# KiCad board design.kicad_pcb (continued)
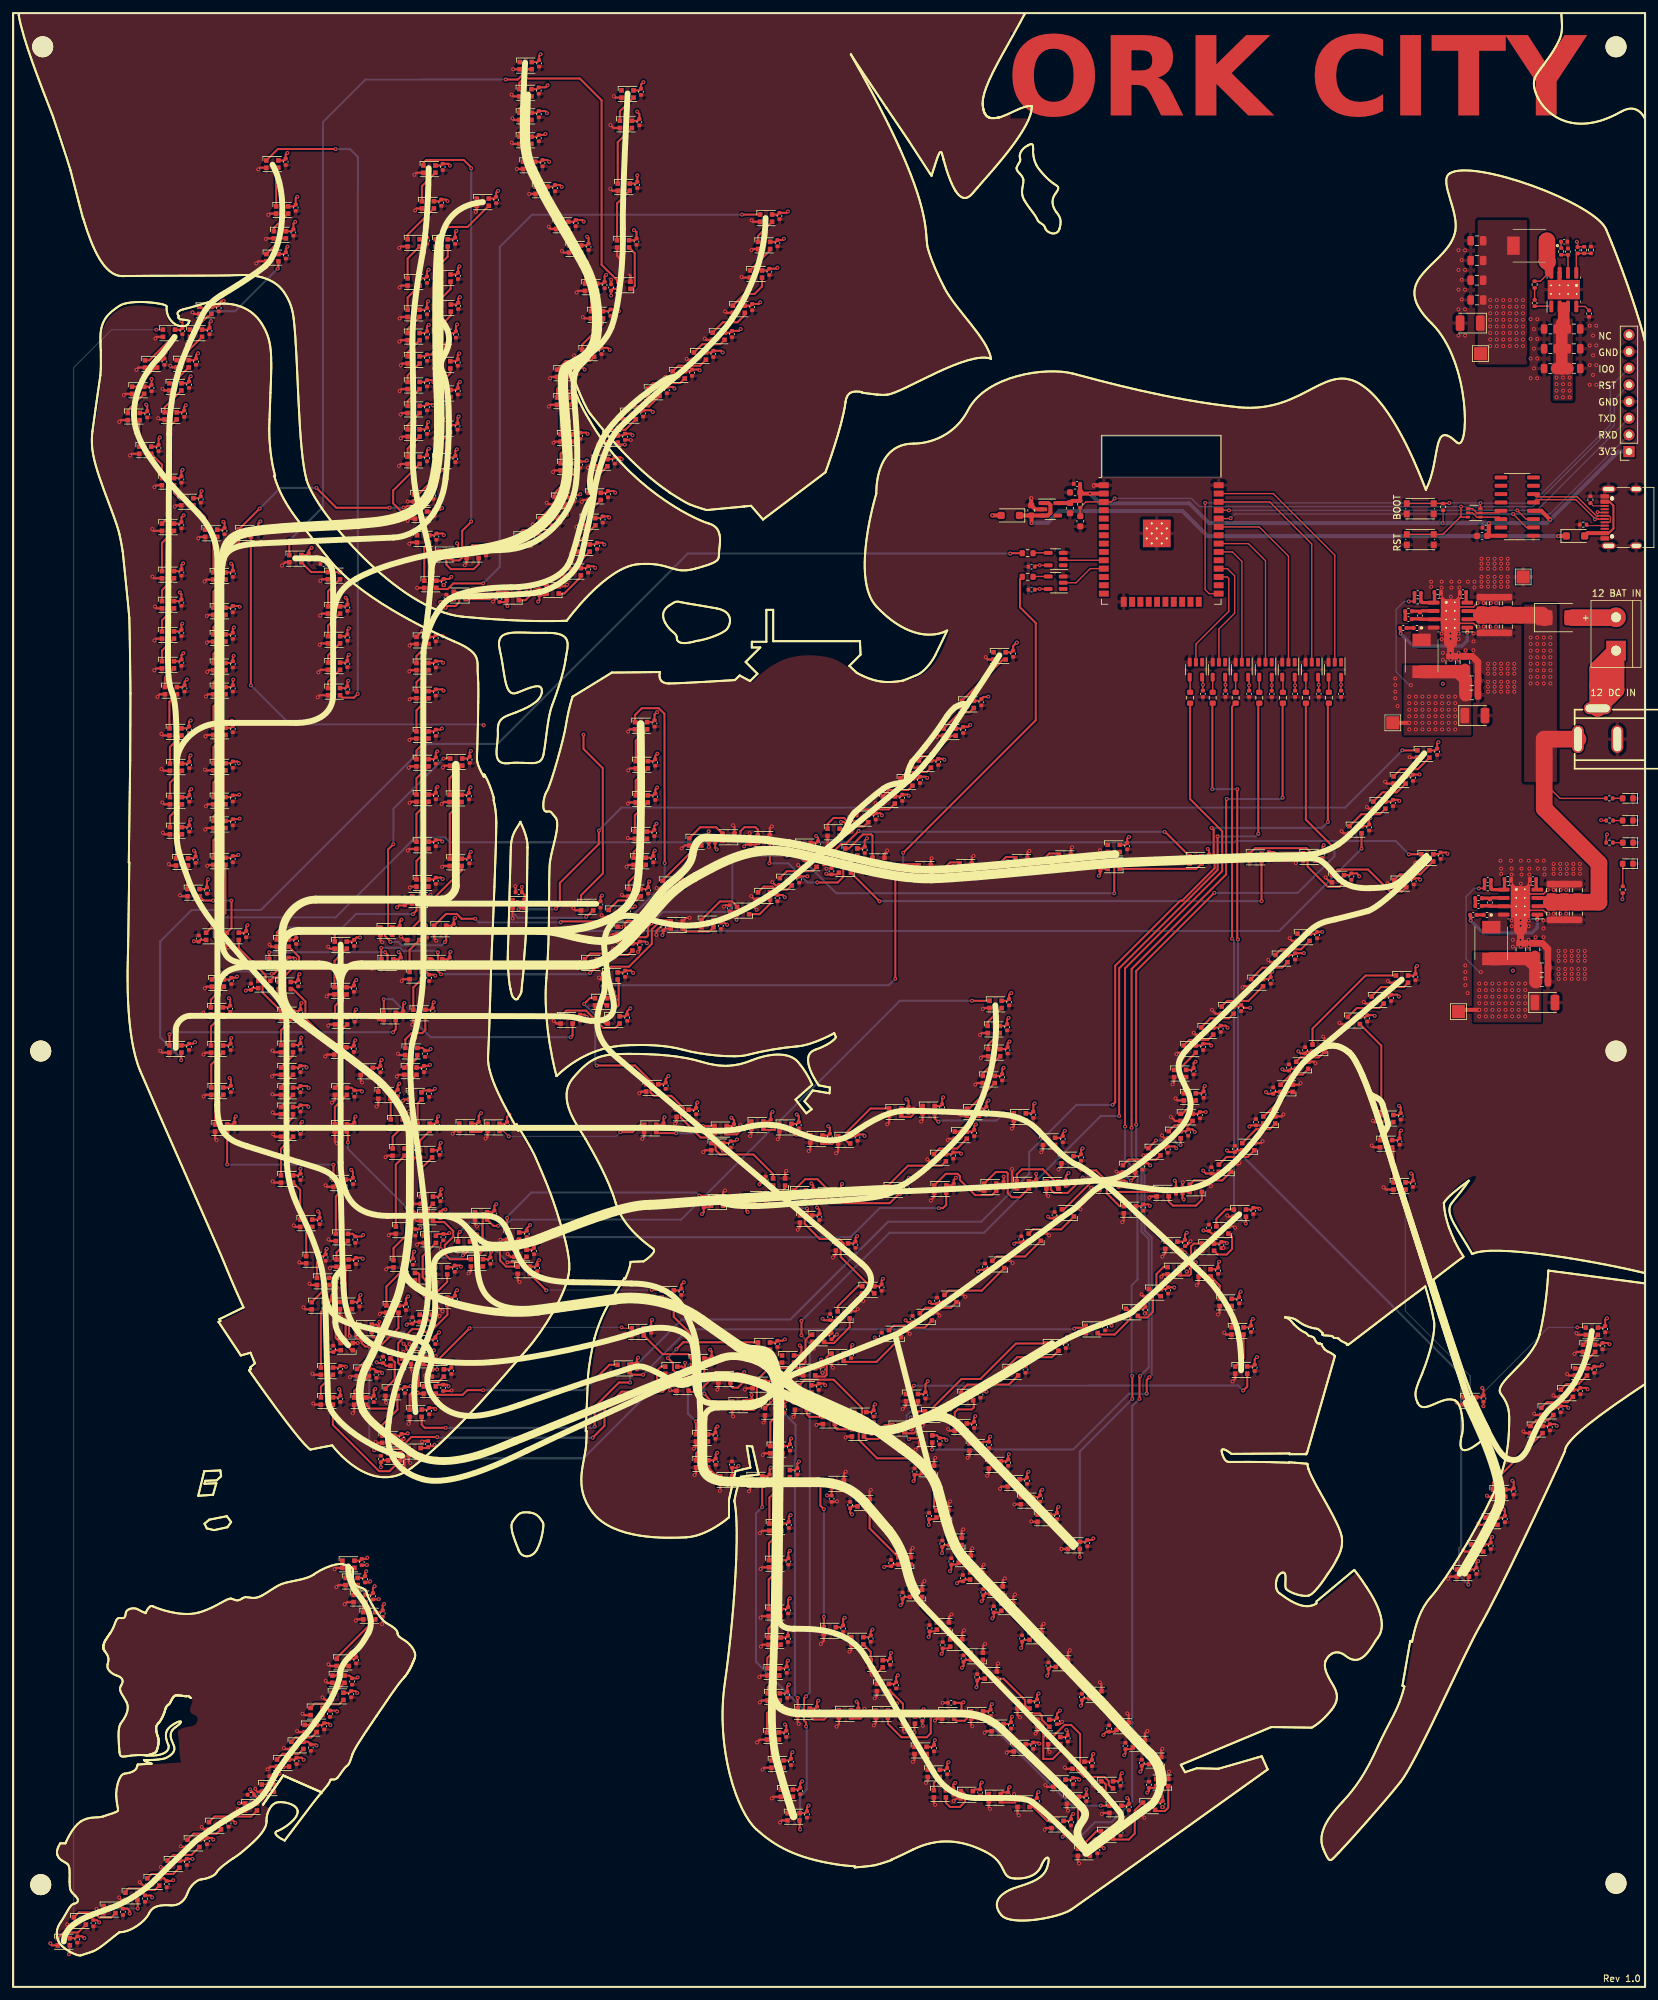
[diagram p0: board, top side]
## Routing (per net, layer and track width the routed paths; a pad name or vN(x,y) marks a point on that pad's centre or on a via; arc(x,y) is an arc through that point) (continued)
Net-(D294-DOUT): length 6.7
  Top w0.305: D294.1 162.22,27.73
Net-(D295-DOUT): length 1.6
  Top w0.305: D296.3 160.54,30.24 D295.1
Net-(D296-DOUT): length 5.9
  Top w0.305: 158.48,31.67 D297.3
Net-(D297-DOUT): length 2.6
  Top w0.305: D297.1 152.44,37.4 D298.3
Net-(D298-DOUT): length 1.6
  Top w0.305: D299.3 148.6,40.05 D298.1
Net-(D299-DOUT): length 3.8
  Top w0.305: D299.1 145.57,41.98 145.29,41.7 145.29,40.88 144.96,40.55 143.66,40.55 D300.3
Net-(D300-DOUT): length 13
  Top w0.305: D301.3 133.28,40.09 135.33,38.03 139.2,38.03 139.8,38.63 139.8,40.91 140.86,41.97 D300.1
Net-(D301-DOUT): length 4.1
  Top w0.305: 127.82,40.88 129.12,40.88 130.35,42.1 D301.1
Net-(D302-DOUT): length 5.3
  Top w0.305: D303.3 121.94,40.73 123.55,40.73 124.97,42.15 D302.1
Net-(D303-DOUT): length 56.4
  Top w0.305: v1(115.5,95.25) 115.5,96.88 ; D303.1 v1(119.53,44.03)
  Bottom w0.305: 115.48,95.17 115.4,95.25 v1(115.5,95.25) 115.5,95.15 116.88,93.77 116.88,87.97 119.21,85.64 119.21,80.38 119.12,80.28 119.12,44.44 v1(119.53,44.03)
Net-(D304-DOUT): length 17.7
  Top w0.305: v1(101.06,97.14) 101.06,97.17 102.1,98.21 112.79,98.21 112.83,98.17 D304.1 ; v1(99.76,95.79) 100.53,95.02 100.53,94 101.12,93.4
  Bottom w0.305: v1(99.76,95.79) 99.76,95.84 v1(101.06,97.14)
Net-(D305-DOUT): length 44.5
  Top w0.305: v1(98.1,91.76) 98.1,93.9 98.7,94.5 D305.1 ; D306.3 62.58,80.51 v1(64.54,80.51)
  Bottom w0.305: v1(64.54,80.51) 86.87,80.53 v1(98.1,91.76)
Net-(D306-DOUT): length 13.1
  Top w0.305: 57.41,82.06 57.29,82.18 v1(57.29,82.13) 57.34,82.13 57.5,81.97 60.13,81.97 ; D307.3 54.38,88.1 v1(57.47,88.1)
  Bottom w0.305: v1(57.47,88.1) 57.45,82.29 v1(57.29,82.13)
Net-(D307-DOUT): length 4.2
  Top w0.305: D308.3 51.96,90.81 D307.1
Net-(D308-DOUT): length 11.1
  Top w0.305: 52.47,94.15 58.7,100.38 D309.3
Net-(D309-DOUT): length 7
  Top w0.305: D310.3 56.87,106.71 D309.1
Net-(D310-DOUT): length 4.9
  Top w0.305: D311.3 57.94,112.55 D310.1
Net-(D311-DOUT): length 11.4
  Top w0.305: D311.1 58.3,125.28 D312.3
Net-(D312-DOUT): length 4
  Top w0.305: D313.3 57.82,129.53 D312.1
Net-(D313-DOUT): length 3.1
  Top w0.305: D313.1 57.52,135.25
Net-(D314-DOUT): length 2.9
  Top w0.305: D314.1 55.63,138.08 D315.3
Net-(D315-DOUT): length 2.8
  Top w0.305: 52.77,140.03 D316.3
Net-(D316-DOUT): length 11.8
  Top w0.305: D317.3 42.66,152.01 44.53,150.13 44.53,147.54 D316.1
Net-(D317-DOUT): length 7.3
  Top w0.305: D317.1 43.57,156.21 43.57,156.9 D318.3
Net-(D318-DOUT): length 26.3
  Top w0.305: D318.1 40.17,160.65 40.92,161.4 v1(40.94,161.4) ; v1(60.91,163.43) 61.45,163.97 61.45,165.68 61,166.13 D319.3
  Bottom w0.305: v1(60.91,163.43) 52.25,163.47 50.18,161.4 v1(40.94,161.4)
Net-(D319-DOUT): length 8.5
  Top w0.305: D320.3 68.34,170.1 63.28,165.03 D319.1
Net-(D320-DOUT): length 9.4
  Top w0.305: D321.3 66.52,178.71 D320.1
Net-(D321-DOUT): length 5.2
  Top w0.305: D321.1 66.48,184.12 D322.3
Net-(D322-DOUT): length 31.9
  Top w0.305: D322.1 65.65,187.15 v1(65.57,187.13) 65.61,187.15 65.63,187.15 ; v1(57.93,174.08) 57.12,173.27 57.12,160.64 57.47,160.29 D343.3
  Bottom w0.305: v1(57.93,174.08) 57.95,179.51 v1(65.57,187.13)
Net-(D323-DIN): length 8.1
  Top w0.305: D324.1 161.81,171.38 162.67,172.25 167.94,172.25 D323.3
Net-(D324-DIN): length 5.4
  Top w0.305: 159.13,172.67 157.85,172.67 155.98,170.8 D325.1
Net-(D325-DIN): length 7.6
  Top w0.305: D325.3 152.44,172.15 151.28,172.15 149.17,170.04 D326.1
Net-(D326-DIN): length 4.9
  Top w0.305: D327.1 141.19,169.76 142.74,171.31 144.05,171.31
Net-(D327-DIN): length 4.9
  Top w0.305: 132.86,171.03 137.81,171.03
Net-(D328-DIN): length 8.5
  Top w0.305: D329.1 127.34,173.44 129.48,175.58 130.74,175.58 130.92,175.4 D328.3
Net-(D329-DIN): length 20.6
  Top w0.305: v1(122.51,168.26) 125.63,168.26 126.47,169.1 126.47,170.98 126.99,171.5 127.77,171.5 D329.3 ; v1(115.21,171.18) 115.28,171.26 D330.1
  Bottom w0.305: 115.25,171.17 115.24,171.17 v1(115.21,171.18) 115.26,171.17 118.11,171.17 121.02,168.26 v1(122.51,168.26)
Net-(D330-DIN): length 6.2
  Top w0.305: D330.3 113.45,176.32 113.1,176.67 111.4,176.67 110.8,176.07 110.8,174.87 110.52,174.59 D331.1
Net-(D331-DIN): length 6.2
  Top w0.305: D331.3 107.1,176.66 104.67,176.66 D332.1
Net-(D332-DIN): length 8.1
  Top w0.305: D332.3 104.28,173.9 98.94,168.56
Net-(D333-DIN): length 11.2
  Top w0.305: D333.3 99.88,166.5 v1(98.47,166.5) ; D334.1 v1(92.64,161.48)
  Bottom w0.305: v1(92.64,161.48) 97.67,166.51 98.4,166.51 v1(98.47,166.5) 98.42,166.51 98.41,166.51
Net-(D334-DIN): length 44.7
  Top w0.305: D334.3 93.7,160.41 93.26,160.86 93.26,162.16 93.48,162.39 95.38,162.39 95.41,162.36 v1(96.14,162.36) ; D335.1 94.76,193.79 95.77,194.8 98.37,194.8 99.23,193.95 v1(99.26,171.21)
  Bottom w0.305: v1(96.14,162.36) 96.72,162.36 99.26,164.9 v1(99.26,171.21)
Net-(D335-DIN): length 5.6
  Top w0.305: D336.1 94.86,189.87 D335.3
Net-(D336-DIN): length 4.9
  Top w0.305: D336.3 94.85,183.8 D337.1
Net-(D337-DIN): length 5.2
  Top w0.305: D338.1 94.72,178.48 D337.3
Net-(D338-DIN): length 3.7
  Top w0.305: D339.1 94.55,172.9 D338.3
Net-(D339-DIN): length 4.7
  Top w0.305: D340.1 93.78,168.34 D339.3
Net-(D340-DIN): length 5.8
  Top w0.305: D340.3 94.96,165.51 92.15,165.51 D341.1
Net-(D341-DIN): length 30
  Top w0.305: v1(83.4,162.17) 83.55,162.33 91.9,162.33 D341.3 ; D342.1 65.93,163.46 67.59,163.46 68.33,162.73 v1(70.4,162.73)
  Bottom w0.305: v1(83.4,162.17) 70.96,162.17 v1(70.4,162.73)
Net-(D342-DIN): length 13.3
  Top w0.305: D342.3 65.97,159.36 v1(65.79,159.18) ; D343.1 56.15,161.39 56.66,160.88 56.66,160.09 57.48,159.27 v1(57.48,159.19) 57.56,159.19 57.49,159.26
  Bottom w0.305: v1(57.48,159.19) 58.7,159.19 59.21,158.68 65.29,158.68 v1(65.79,159.18)
Net-(D344-DIN): length 198
  Top w0.305: v1(171.6,89.57) 171.6,92.97 v1(171.7,93.07) ; v1(193.4,181.17) 193.4,195.52 R26.2 ; v1(184.9,180.97) 184.8,180.87 184.8,169.47 170.4,155.07 v1(170.4,130.87) ; v1(159.9,22.87) 160.03,23 D344.3
  Bottom w0.305: v1(159.9,22.87) 162.6,22.87 164.8,25.07 167.3,25.07 170.5,28.27 170.5,88.47 v1(171.6,89.57) ; v1(170.4,130.87) 170.4,126.37 171.9,124.87 171.9,115.07 173,113.97 173,94.37 v1(171.7,93.07) ; v1(184.9,180.97) 193.2,180.97 v1(193.4,181.17)
Net-(D344-DOUT): length 4.2
  Top w0.305: D344.1 157.55,25.29 155.43,27.41 D345.3
Net-(D345-DOUT): length 2.6
  Top w0.305: D345.1 152.61,28.1 150.64,28.1
Net-(D346-DOUT): length 2.5
  Top w0.305: 148.51,29.37 147.69,28.55 146.38,28.55
Net-(D347-DOUT): length 6.3
  Top w0.305: D347.1 144.59,29.82 145.03,29.37 145.03,28.2 144.24,27.41 142.74,27.41 142.1,28.05 D348.3
Net-(D348-DOUT): length 2.4
  Top w0.305: D349.3 140.28,31.07 D348.1
Net-(D349-DOUT): length 2.2
  Top w0.305: D349.1 139.34,35.28
Net-(D350-DOUT): length 3.7
  Top w0.305: 137.32,37.29 137.23,37.38 v1(137.34,37.38) 137.34,37.27 137.32,37.29 D350.1 ; v1(137.33,38.76) 137.33,40.05
  Bottom w0.305: v1(137.34,37.38) v1(137.33,38.76)
Net-(D351-DOUT): length 4.9
  Top w0.305: D351.1 135.56,43.13 133.64,45.06 D352.3
Net-(D352-DOUT): length 2.9
  Top w0.305: D353.3 131.59,47.78 D352.1
Net-(D353-DOUT): length 2.9
  Top w0.305: D353.1 130.65,51.06 D354.3
Net-(D354-DOUT): length 2.5
  Top w0.305: D354.1 125.75,53.28 D355.3
Net-(D355-DOUT): length 24.2
  Top w0.305: D355.1 123.5,56.36 v1(123.52,56.38) ; 124.56,77.36 123.26,77.36 123,77.1 123,73.3 v1(123.52,72.78)
  Bottom w0.305: v1(123.52,56.38) v1(123.52,72.78)
Net-(D356-DOUT): length 2.8
  Top w0.305: D357.3 126.87,76.09 D356.1
Net-(D357-DOUT): length 9.6
  Top w0.305: D357.1 130.49,69.87 D358.3
Net-(D358-DOUT): length 3.8
  Top w0.305: D358.1 136.72,60.59
Net-(D359-DOUT): length 4.8
  Top w0.305: D359.1 138.47,57.81 D360.3
Net-(D360-DOUT): length 1.3
  Top w0.305: D361.3 142.76,54.25
Net-(D361-DOUT): length 1.7
  Top w0.305: D361.1 145,51.84 D362.3
Net-(D362-DOUT): length 1.9
  Top w0.305: D362.1 147.75,48.32 D363.3
Net-(D363-DOUT): length 7.3
  Top w0.305: D363.1 150.89,46.95 154.19,43.65 154.19,42.87 154.64,42.42 D364.3
Net-(D364-DOUT): length 7.2
  Top w0.305: D364.1 153.22,43.52 153.73,43.01 153.73,42.38 154.46,41.65 156.42,41.65 156.7,41.36 156.7,40.74 157.83,39.61
Net-(D365-DOUT): length 10.5
  Top w0.305: 156.08,40.71 156.95,39.84 156.95,34.73 158.38,34.73 159.53,35.88 D366.3
Net-(D366-DOUT): length 12
  Top w0.305: D367.3 162.83,33.22 162.56,33.49 162.56,38.54 161.19,39.91 160.19,39.91 158.35,38.07 D366.1
Net-(D367-DOUT): length 8.6
  Top w0.305: D367.1 161.59,34.32 162.1,33.81 162.1,33.02 163.13,31.99 166.26,31.99 166.92,31.33 166.92,30.79 167.47,30.24
Net-(D368-DOUT): length 6.2
  Top w0.305: D368.1 165.99,31.34 166.46,30.87 166.46,29.32 168.2,27.58 168.2,26.99 168.69,26.5
Net-(D369-DOUT): length 90.7
  Top w0.305: 165.86,27.62 v1(165.7,27.62) 165.88,27.6 D369.1 ; v1(114.12,73.1) D370.3
  Bottom w0.305: v1(165.7,27.62) 161.22,27.62 147.12,41.72 120.99,41.72 113.18,49.53 113.18,72.14 114.12,73.08 ; 114.12,73.08 114.14,73.1 v1(114.12,73.1) 114.12,73.08
Net-(D370-DOUT): length 6.3
  Top w0.305: D371.3 108.81,76.68 v1(108.8,76.67) ; v1(113.1,77.07) 112.38,77.8 D370.1
  Bottom w0.305: v1(108.8,76.67) 112.7,76.67 v1(113.1,77.07)
Net-(D371-DOUT): length 2.4
  Top w0.305: D371.1 107.23,77.78 D372.3
Net-(D372-DOUT): length 3.6
  Top w0.305: D372.1 104.05,81.29 D373.3
Net-(D373-DOUT): length 22.9
  Top w0.305: v1(104.02,86.13) 104.02,86.12 D373.1 ; D374.3 100.64,102.06 v1(103.67,99.04)
  Bottom w0.305: v1(104.02,86.13) 102.8,87.35 102.8,94.62 103.65,95.47 v1(103.67,99.04)
Net-(D374-DOUT): length 21.2
  Top w0.152: D374.1 97.37,106.11 v1(97.3,106.17)
  Top w0.305: v1(81.23,106.11) D375.3
  Bottom w0.152: v1(81.23,106.11) 81.29,106.17 v1(97.3,106.17)
Net-(D375-DOUT): length 8.2
  Top w0.305: D376.3 76.77,113.84 75.72,112.79 74.8,112.79 74.17,112.16 74.17,110.66 75.1,109.73 D375.1
Net-(D376-DOUT): length 35.5
  Top w0.305: D376.1 75.27,117.09 75.26,117.09 v1(75.26,117.14) 75.21,117.14 75.24,117.11 ; D377.3 105.92,120.54 v1(104.53,120.54)
  Bottom w0.305: v1(75.26,117.14) 75.26,117.33 78.95,121.02 104.05,121.02 v1(104.53,120.54)
Net-(D377-DOUT): length 5.5
  Top w0.305: D377.1 109.64,119.03 111.4,120.79 112.6,120.79 D378.3
Net-(D378-DOUT): length 6.4
  Top w0.305: D378.1 120.01,119.46 D379.3
Net-(D379-DOUT): length 8.5
  Top w0.305: D380.3 124.78,120.05 124.33,120.5 124.33,121.28 122.56,123.05 120.67,123.05 D379.1
Net-(D380-DOUT): length 13.6
  Top w0.305: D380.1 123.36,121.15 123.87,120.64 123.87,119.99 124.46,119.4 133.55,119.4 D381.3
Net-(D381-DOUT): length 10.5
  Top w0.305: D381.1 136.34,125.12 141.45,125.12 D382.3
Net-(D382-DOUT): length 6
  Top w0.305: D382.1 141.13,127.72 143.82,127.72 D383.3
Net-(D383-DOUT): length 4.7
  Top w0.305: D384.3 146.53,132.71 144.12,130.3 D383.1
Net-(D384-DOUT): length 5.8
  Top w0.305: D385.3 145.66,133.81 D384.1
Net-(D385-DOUT): length 4.1
  Top w0.305: D385.1 147.72,139.12 D386.3
Net-(D386-DOUT): length 3.2
  Top w0.305: D386.1 148.54,143.55 D387.3
Net-(D387-DOUT): length 3.6
  Top w0.305: D387.1 148.47,147.01 D388.3
Net-(D388-DOUT): length 91.2
  Top w0.305: v1(146.08,150.23) D388.1 ; v1(73.89,115.94) 73.16,115.94 D389.3
  Bottom w0.305: v1(146.08,150.23) 135.08,150.23 101.73,116.89 75.86,116.89 74.88,115.9 v1(73.89,115.94)
Net-(D389-DOUT): length 9.7
  Top w0.305: D389.1 70.57,118.01 71.54,117.04 71.54,112.13 70.92,111.51 70.92,109.89 71.05,109.76 D390.3
Net-(D390-DOUT): length 11.8
  Top w0.305: D390.1 66.56,110.86 65.77,111.65 65.77,113.02 67.05,114.31 67.05,115.15 65.68,116.52 64.13,116.52
Net-(D391-DOUT): length 17.7
  Top w0.305: v1(50.99,128.66) 50.99,130.16 ; v1(59.94,118.72) 60.51,118.75 61.47,117.79 D391.1
  Bottom w0.305: v1(59.94,118.72) 50.99,127.67 v1(50.99,128.66)
Net-(D392-DOUT): length 5.2
  Top w0.305: D393.3 49.01,134.06 D392.1
Net-(D393-DOUT): length 10.4
  Top w0.305: D394.3 50.11,145.86 50.11,138.09 D393.1
Net-(D394-DOUT): length 4.2
  Top w0.305: D394.1 49.05,149.46 D395.3
Net-(D395-DOUT): length 6.6
  Top w0.305: D396.3 48.96,156.3 D395.1
Net-(D396-DOUT): length 165.9
  Top w0.305: D396.1 v1(48.98,160.45) ; D413.3 205.43,173.43 v1(205.44,173.42)
  Bottom w0.305: v1(48.98,160.45) 49.41,160.88 93,160.88 93.6,161.47 95.1,161.47 95.7,160.88 192.91,160.88 205.44,173.41 v1(205.44,173.42)
Net-(D397-DIN): length 10.2
  Top w0.305: D398.1 66.27,268.12 69.23,268.12 D397.3
Net-(D398-DIN): length 4.8
  Top w0.305: D399.1 64.81,262.21 66.21,263.61 D398.3
Net-(D399-DIN): length 4.2
  Top w0.305: D399.3 66.64,258.68 64.84,256.88 D400.1
Net-(D400-DIN): length 4.2
  Top w0.305: D401.1 64.47,252.42 66.67,254.62 D400.3
Net-(D401-DIN): length 3.8
  Top w0.305: D401.3 65.81,250.36 65.81,248.71 D402.1
Net-(D402-DIN): length 4
  Top w0.305: D402.3 66.6,245.83 64.78,244 D403.1
Net-(D403-DIN): length 5
  Top w0.305: D404.1 65.98,239.19 65.98,241.56 D403.3
Net-(D404-DIN): length 4.7
  Top w0.305: D405.1 64.41,234.69 D404.3
Net-(D405-DIN): length 7
  Top w0.305: D406.1 61.74,227.39 D405.3
Net-(D406-DIN): length 32.9
  Top w0.305: D406.3 62.25,225.64 60.03,225.64 59.77,225.38 v1(59.49,225.38) ; v1(57.35,225.35) 49.23,225.35 v1(46.2,228.37) ; D407.1 v1(37.56,225.22)
  Bottom w0.305: 59.32,225.35 59.35,225.35 v1(59.49,225.38) 59.29,225.35 v1(57.35,225.35) ; v1(37.56,225.22) 40.72,228.37 v1(46.2,228.37)
Net-(D407-DIN): length 104.7
  Top w0.305: v1(86.9,190.77) 86.9,188.6 89.83,185.67 89.83,174.08 89.86,174.05 89.86,169.64 86.53,166.31 D408.1 ; D407.3 36.22,198.31 v1(36.22,198.3)
  In1.Cu w0.305: v1(86.9,190.77) 85.48,192.2 v1(71.69,192.2)
  Bottom w0.305: v1(71.69,192.2) 71.56,192.33 42.18,192.33 36.22,198.29 v1(36.22,198.3)
Net-(D408-DIN): length 15.7
  Top w0.305: v1(76.8,165.27) 76.34,165.27 D409.1 ; D408.3 87.38,163.03 v1(87.3,163.03)
  Bottom w0.305: v1(87.3,163.03) 87.15,162.87 76.9,162.87 76.2,163.57 76.2,164.67 v1(76.8,165.27)
Net-(D409-DIN): length 151.3
  Top w0.305: D409.3 77.25,164.42 v1(77,164.17) ; v1(211.67,188.39) 211.68,188.38 D410.1 ; v1(82.7,164.27) 83.29,164.86 83.29,168.18 89.23,174.12 v1(89.23,176.16)
  Bottom w0.305: v1(211.67,188.39) 202.95,179.67 92.7,179.67 89.23,176.2 v1(89.23,176.16) 89.19,176.16 89.26,176.23 ; v1(77,164.17) 82.6,164.17 v1(82.7,164.27)
Net-(D410-DIN): length 6.7
  Top w0.305: D410.3 214.01,185.52 211.4,185.52 D411.1
Net-(D411-DIN): length 6
  Top w0.305: D411.3 210.8,181.99 208.63,181.99 D412.1
Net-(D412-DIN): length 6.5
  Top w0.305: D413.1 205.4,178.65 208.23,178.65 D412.3
Net-(D414-DIN): length 176.4
  Top w0.305: R27.2 151.95,218.42 v1(151.9,218.37) ; v1(25.6,141.17) 25.6,142.31 D414.3
  Bottom w0.305: v1(25.6,141.17) 25.6,141.47 22.4,144.67 22.4,159.27 27.2,164.07 37.75,164.07 63.05,189.37 73.8,189.37 102.8,218.37 v1(151.9,218.37)
Net-(D414-DOUT): length 37.9
  Top w0.305: D415.3 58.29,145.87 57.87,145.45 v1(57.87,145.43) ; v1(23.82,145.12) 23.82,143.46
  Bottom w0.305: 23.81,145.13 23.8,145.12 v1(23.82,145.12) 23.82,145.14 24.11,145.43 v1(57.87,145.43)
Net-(D415-DOUT): length 35.2
  Top w0.305: v1(84.96,144.68) 85.23,144.96 D416.3 ; v1(56.47,150.49) 56.47,148.41
  Bottom w0.305: v1(84.96,144.68) 63.61,144.68 57.82,150.47 v1(56.47,150.49)
Net-(D416-DOUT): length 10.7
  Top w0.305: D416.1 84.27,148.73 87.29,148.73 89.92,146.11 91.75,146.11 D417.3
Net-(D417-DOUT): length 6.1
  Top w0.305: 92.25,153.31 92.25,149.54 D417.1
Net-(D418-DOUT): length 14.3
  Top w0.305: 100.02,162.49 98.7,162.49 97.31,161.1 97.31,158.91 93.83,155.43 91.15,155.43 D418.1
Net-(D419-DOUT): length 5.1
  Top w0.305: D420.3 106.05,160.79 102.45,160.79 D419.1
Net-(D420-DOUT): length 6.9
  Top w0.305: D420.1 107.7,165.37 109.52,165.37 110.29,164.6
Net-(D421-DOUT): length 4.5
  Top w0.305: D421.1 113.72,163.42 115.31,165.01 D422.3
Net-(D422-DOUT): length 6
  Top w0.305: D422.1 114.35,167.63 115.7,167.63 116.17,167.17 117.98,167.17 D423.3
Net-(D423-DOUT): length 6.3
  Top w0.305: D424.3 121.75,169.98 117.86,169.98 D423.1
Net-(D424-DOUT): length 7.2
  Top w0.305: D425.3 125.91,174.7 123.84,172.63 122.13,172.63 121.23,171.73 D424.1
Net-(D425-DOUT): length 8.2
  Top w0.305: D425.1 124.08,177.17 125,178.09 126.61,178.09 127.65,177.04 127.65,176.88 127.74,176.79 129.62,176.79 D426.3
Net-(D426-DOUT): length 6.6
  Top w0.305: D427.3 133.44,179.39 129.3,179.39 D426.1
Net-(D427-DOUT): length 5.2
  Top w0.305: D428.3 136.35,182.35 133.47,182.35 D427.1
Net-(D428-DOUT): length 5.3
  Top w0.305: D428.1 136.16,185.09 139.17,185.09 D429.3
Net-(D429-DOUT): length 7.2
  Top w0.305: D430.3 142.95,190.61 139.84,187.49 138.65,187.49 D429.1
Net-(D430-DOUT): length 5.9
  Top w0.305: D431.3 145.71,194.18 144.24,194.18 D430.1
Net-(D431-DOUT): length 9.3
  Top w0.305: D432.3 150.82,202.22 D431.1
Net-(D433-DIN): length 119.7
  Top w0.305: R28.2 153.4,214.49 153.4,210.17 155.8,207.77 155.8,192.97 v1(135.6,172.77) ; D433.3 90.28,149.53 89.8,150 v1(89.8,152.47) ; v1(134.4,153.57) v1(134.4,169.37)
  Bottom w0.305: v1(134.4,153.57) 133.42,152.59 89.92,152.59 v1(89.8,152.47) ; v1(134.4,169.37) 135.6,170.57 v1(135.6,172.77)
Net-(D433-DOUT): length 23.4
  Top w0.305: v1(86.99,149.75) 87.87,150.63 D433.1 ; 98.22,136.41 97.57,137.06 97.57,137.55 94.75,140.37 v1(88.9,140.37)
  Bottom w0.305: v1(86.99,149.75) 87,149.75 88.68,148.07 88.68,140.6 v1(88.9,140.37)
Net-(D434-DOUT): length 9.4
  Top w0.305: D434.1 96.66,137.51 97.11,137.06 97.11,136.28 97.63,135.76 100.27,135.76 102.19,133.84 102.19,133.05 102.7,132.54 D435.3
Net-(D435-DOUT): length 10.5
  Top w0.305: D436.3 107.99,127.46 107.48,127.97 107.48,128.59 106.66,129.41 104.74,129.41 101.73,132.41 101.73,133.19 101.29,133.64 D435.1
Net-(D436-DOUT): length 12.4
  Top w0.305: D437.3 115.78,123.82 112.8,126.81 107.69,126.81 107.02,127.48 107.02,128.11 106.57,128.56 D436.1
Net-(D437-DOUT): length 9.1
  Top w0.305: 121.54,116.43 121.06,116.91 121.06,118.46 v1(120.94,118.58) ; 116.93,121.02 116.87,120.96 v1(116.87,121) 116.91,121 117.62,121.71 D437.1
  Bottom w0.305: v1(116.87,121) 119.25,118.62 120.81,118.62 v1(120.94,118.58) 120.89,118.62 120.85,118.62
Net-(D438-DOUT): length 10.4
  Top w0.305: D439.3 126.94,112.18 126.54,112.58 126.54,113.27 125.88,113.93 122.9,113.93 120.6,116.23 120.6,117.02 120.09,117.53 D438.1
Net-(D439-DOUT): length 10.1
  Top w0.305: 131.14,105.65 130.53,106.26 130.53,106.76 126.08,111.21 126.08,112.77 125.57,113.28 D439.1
Net-(D440-DOUT): length 5.7
  Top w0.305: D440.1 128.7,106.75 125.63,103.68 D441.3
Net-(D441-DOUT): length 6.1
  Top w0.305: 123.73,98.09 125.04,98.09 127.46,100.51 D441.1
Net-(D442-DOUT): length 6.4
  Top w0.305: 119.15,94.93 120.46,94.93 120.72,95.19 120.72,98.56 121.52,99.36 D442.1
Net-(D444-DIN): length 165.5
  Top w0.305: v1(171.1,131.37) 171.1,154.77 v1(183,166.67) ; D444.3 140.03,81.9 v1(140,81.87) ; v1(201.2,173.57) 196.95,177.82 R29.2 ; v1(172.7,90.37) 172.7,92.47 v1(173.1,92.87)
  Bottom w0.305: v1(140,81.87) 161.5,81.87 170,90.37 v1(172.7,90.37) ; v1(183,166.67) 195.7,166.67 201.3,172.27 201.3,173.47 v1(201.2,173.57) ; v1(171.1,131.37) 171.1,126.32 172.36,125.06 172.36,115.26 173.46,114.16 173.46,93.23 v1(173.1,92.87)
Net-(D444-DOUT): length 8.9
  Top w0.305: D444.1 137.75,83.57 136.62,83.57 v1(136.48,83.43) ; v1(137.17,88) 137.17,88.02 137.85,88.7 D445.3
  Bottom w0.305: v1(137.17,88) 137.11,88 136.14,87.02 136.14,83.74 136.45,83.43 v1(136.48,83.43) 136.48,83.4 136.35,83.53
Net-(D445-DOUT): length 55.1
  Top w0.305: D445.1 137.24,91.55 v1(137.24,91.59) ; D446.3 188.02,91.47 v1(187.4,90.85)
  Bottom w0.305: v1(187.4,90.85) 186.63,91.62 v1(137.24,91.59)
Net-(D446-DOUT): length 5.4
  Top w0.305: D446.1 187.46,95.79 D447.3
Net-(D447-DOUT): length 3.2
  Top w0.305: D448.3 185.65,100.5
Net-(D448-DOUT): length 4
  Top w0.305: D449.3 183.82,106.84 D448.1
Net-(D449-DOUT): length 4.9
  Top w0.305: D450.3 177.97,112.44 178.51,111.9 v1(178.52,111.9) ; v1(180.19,110.39) 180.19,109.75 D449.1
  Bottom w0.305: 180.16,110.42 v1(180.19,110.39) 180.16,110.42 178.68,111.9 v1(178.52,111.9)
Net-(D450-DOUT): length 6
  Top w0.305: 171.21,117.68 171.4,117.68 D450.1
Net-(D451-DOUT): length 11.4
  Top w0.305: D452.3 162.64,124.38 164.98,124.38 166.63,122.73 166.63,120.88 168.56,118.95 D451.1
Net-(D452-DOUT): length 2.1
  Top w0.305: D452.1 159.72,127.28 D453.3
Net-(D453-DOUT): length 3.7
  Top w0.305: D454.3 D453.1
Net-(D454-DOUT): length 13.6
  Top w0.305: v1(150.88,133.07) 152.44,133.07 ; v1(140.97,131.8) 140.92,131.8 140.39,132.33 D455.3
  Bottom w0.305: v1(140.97,131.8) 141.16,131.99 149.82,131.99 150.88,133.05 v1(150.88,133.07)
Net-(D455-DOUT): length 3.6
  Top w0.305: 135.47,132.56 136.78,132.56 138.42,134.2
Net-(D456-DOUT): length 10.1
  Top w0.305: D456.1 130.62,133.83 126.88,130.09 126.88,128.95 127.32,128.5 D457.3
Net-(D457-DOUT): length 3
  Top w0.305: D457.1 125.49,129.6 125.05,129.15 125.05,128.69 124.79,128.44 123.47,128.44
Net-(D458-DOUT): length 3.2
  Top w0.305: D459.3 119.24,129.71 D458.1
Net-(D459-DOUT): length 2.9
  Top w0.305: 114.47,130.57 116.04,130.57 116.04,130.99 116.53,131.48 D459.1
Net-(D460-DOUT): length 4.4
  Top w0.305: D460.1 112.22,131.84 110.27,129.89 108.86,129.89
Net-(D461-DOUT): length 9.4
  Top w0.305: 98.14,130.07 100.95,130.07 100.97,130.05 v1(101.01,130.05) 101.01,130.01 100.96,130.06 ; v1(105.1,131.16) D461.1
  Bottom w0.305: v1(101.01,130.05) 103.96,130.05 105.07,131.16 v1(105.1,131.16) 105.1,131.19 105.08,131.17
Net-(D462-DOUT): length 23.1
  Top w0.152: D463.3 74.69,130.39 v1(75.5,129.57)
  Top w0.305: v1(92.5,130.22) 94.36,130.22 95.49,131.34 D462.1
  Bottom w0.152: v1(92.5,130.22) 91.86,129.57 v1(75.5,129.57)
Net-(D463-DOUT): length 3.1
  Top w0.305: 69.98,130.25 71.28,130.25 71.54,130.51 71.54,130.97 72.07,131.49 D463.1
Net-(D465-DIN): length 217
  Top w0.305: R30.2 200.3,195.42 v1(200.3,177.47) ; v1(65.9,85.17) 62.7,85.17 62.24,85.64 D465.3 ; v1(182.6,176.57) 182.9,176.28 182.9,172.62 183.05,172.47 183.05,170.42 178.1,165.47 177.8,165.47 167.9,155.57 167.9,134.77 v1(167.5,134.37) ; v1(94,92.07) 92.3,92.07 88.6,88.37 v1(88.6,85.37)
  Bottom w0.305: v1(65.9,85.17) 88.4,85.17 v1(88.6,85.37) ; v1(167.5,134.37) 162,134.37 154.8,127.17 154.8,123.87 147.5,116.57 133.3,116.57 118.4,101.67 101.88,101.67 94,93.8 v1(94,92.07) ; v1(200.3,177.47) 199.4,176.57 v1(182.6,176.57)
Net-(D465-DOUT): length 11
  Top w0.305: D466.3 62.67,97.53 61.8,96.65 61.8,91.58 60.41,90.2 D465.1
Net-(D466-DOUT): length 7.9
  Top w0.305: D467.3 66.16,102.39 63.58,99.81 62.54,99.81 D466.1
Net-(D467-DOUT): length 4.3
  Top w0.305: D468.3 66.13,107.42 64.33,105.62 D467.1
Net-(D468-DOUT): length 7.1
  Top w0.305: D468.1 64.3,110.64 64.76,111.1 v1(64.76,111.11) ; D469.3 68.62,111.46 v1(68.53,111.46)
  Bottom w0.305: v1(64.76,111.11) 64.78,111.09 68.16,111.09 v1(68.53,111.46)
Net-(D469-DOUT): length 16.4
  Top w0.305: v1(75.31,110.38) 75.31,110.38 77.38,110.38 D470.3 ; D469.1 67.78,114.75 v1(68.05,115.02)
  Bottom w0.305: 75.28,110.48 75.38,110.38 v1(75.31,110.38) 75.31,110.45 71.45,114.31 71.45,115.93 70.91,116.46 69.49,116.46 v1(68.05,115.02)
Net-(D470-DOUT): length 70.6
  Top w0.305: D471.3 142.16,119.12 141.67,118.64 v1(141.04,118.64) ; 80.83,114.23 80.85,114.23 v1(80.89,114.21) 80.81,114.23 79.9,114.23 79.34,113.67 78.38,113.67 77.03,112.31 D470.1
  Bottom w0.305: v1(80.89,114.21) 127.58,114.21 132.03,118.66 v1(141.04,118.64)
Net-(D471-DOUT): length 12.1
  Top w0.305: D471.1 142.1,123.87 143.89,123.87 144.24,123.52 144.24,122.94 146.55,120.63 149.12,120.63 D472.3
Net-(D472-DOUT): length 11.4
  Top w0.305: D472.1 149.71,124.14 151.32,124.14 151.52,123.94 151.52,120.94 152.16,120.3 153.4,120.3 D473.3
Net-(D473-DOUT): length 9.2
  Top w0.305: 159.22,121.62 158.6,122.24 158.6,122.85 156.9,124.55 153.69,124.55 152.91,123.77 D473.1
Net-(D474-DOUT): length 16.9
  Top w0.305: 170.96,124.05 170.96,123.47 v1(170.31,122.82) ; D474.1 157.63,122.72 158.08,122.27 158.08,121.49 158.61,120.96 160.68,120.96 162.94,123.22 v1(162.94,123.3) 163.02,123.3 162.98,123.26
  Bottom w0.305: v1(162.94,123.3) 169.83,123.3 v1(170.31,122.82)
Net-(D475-DOUT): length 6.3
  Top w0.305: D475.1 169.94,126.04 172.39,126.04 172.43,126.01 174.12,126.01 D476.3
Net-(D476-DOUT): length 6.8
  Top w0.305: 174.1,128.93 v1(174.12,128.96) 174.1,128.93 D476.1 ; D477.3 177.88,128.27 v1(177.87,128.26)
  Bottom w0.305: v1(174.12,128.96) 176.86,128.96 177.56,128.26 v1(177.87,128.26)
Net-(D477-DOUT): length 4.3
  Top w0.305: D478.3 178.99,131.23 176.9,131.23 D477.1
Net-(D478-DOUT): length 3.2
  Top w0.305: D479.3 178.16,133.02 D478.1
Net-(D479-DOUT): length 2.6
  Top w0.305: D479.1 178.34,138.25 D480.3
Net-(D480-DOUT): length 4.4
  Top w0.305: D481.3 177.54,139.7 D480.1
Net-(D481-DOUT): length 5.2
  Top w0.305: D481.1 179.19,144.27 182.04,144.27 D482.3
Net-(D482-DOUT): length 5.8
  Top w0.305: D483.3 185.24,147.56 182.39,147.56 D482.1
Net-(D483-DOUT): length 7.6
  Top w0.305: D483.1 184.97,150.21 188.2,150.21 D484.3
Net-(D484-DOUT): length 6.6
  Top w0.305: D485.3 193.32,155.28 190.34,155.28 D484.1
Net-(D485-DOUT): length 6.1
  Top w0.305: D486.3 196.22,158.06 193.17,158.06 D485.1
Net-(J2-CC1): length 2.8
  Top w0.152: R1.1 239.86,222.62 J2.A5
Net-(J2-CC2): length 2.4
  Top w0.152: J2.B5 240.74,225.62 R2.1
Net-(J3-Pin_1): length 24
  Top w2.54: 244.2,201.07 242.95,199.82 242.7,199.82 242.7,199.57 241.4,198.27 ; 241.4,198.27 J4.3 244.2,197.59 J3.1 241.4,200.77 241.4,198.27
